# KiCad board ergotonic_f24 - コピー.kicad_pcb (continued)
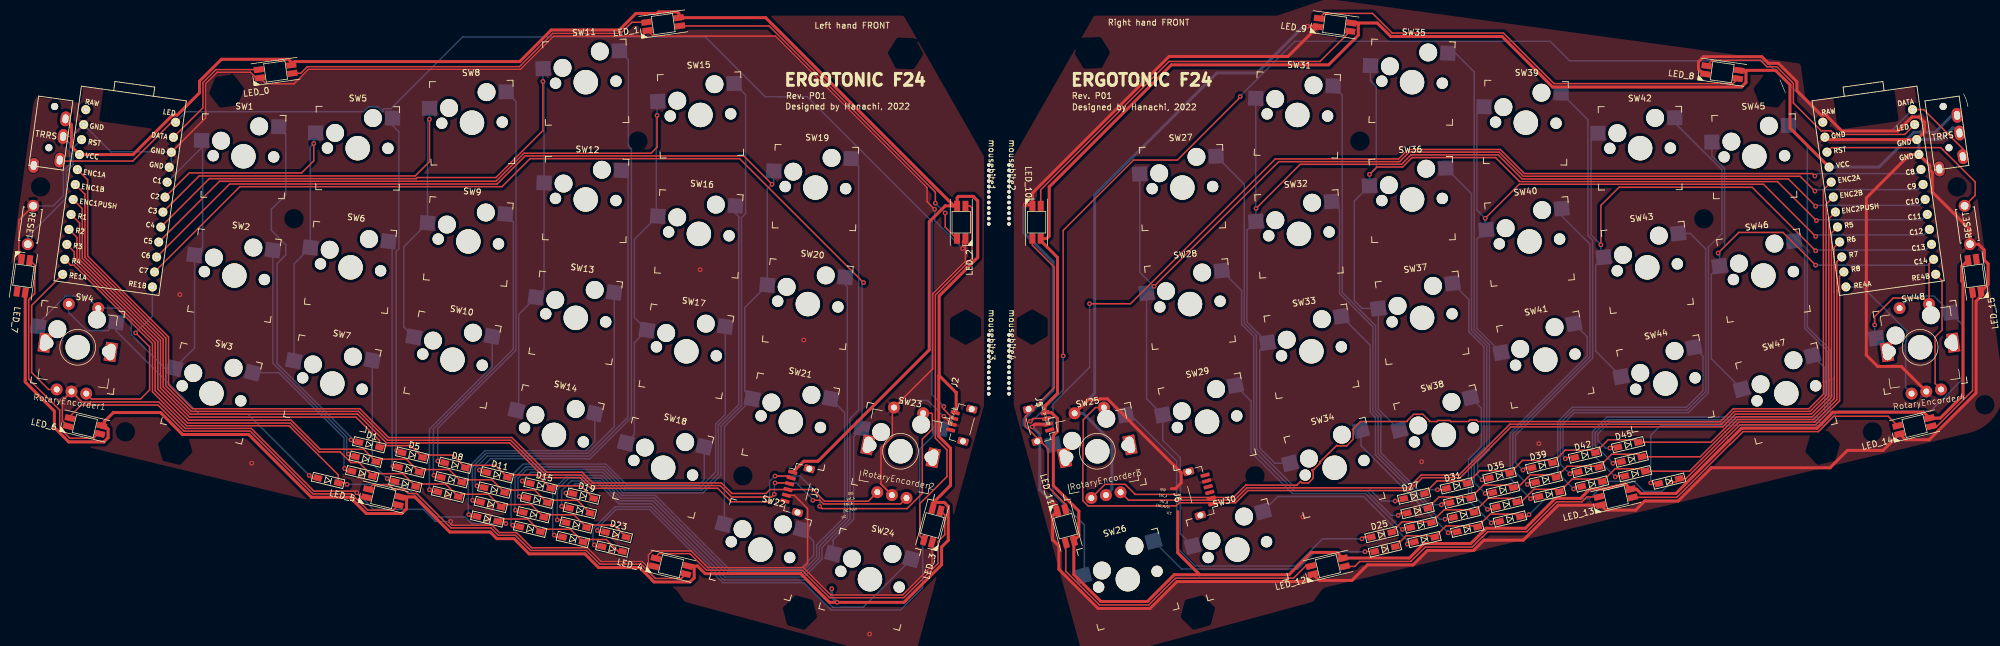
[diagram p0: board, top side]
## Routing (per net, layer and track width the routed paths; a pad name or vN(x,y) marks a point on that pad's centre or on a via; arc(x,y) is an arc through that point) (continued)
  Bottom w0.5: U2.21 313.4,68.97 319.24,74.81 322.83,74.81 326.52,78.5
C1: length 81.5
  Bottom w0.25: SW4.1 4.25,42.69 8.86,47.3 12.34,47.3 RE1.S1 17.99,45.28 19.91,43.36 19.91,40.82 25.54,35.19 SW3.1 30.53,38.58 SW2.1 31.88,55.55 31.88,73.29 SW1.1 31.71,72.22 U1.5
C2: length 70.2
  Top w0.25: U1.6 29.64,67.99 48.51,67.99 50.55,70.02 v1(50.55,72.94)
  Bottom w0.25: SW5.1 50.55,74.41 v1(50.55,72.94) 49.98,72.37 SW6.1 47.24,52.72 47.24,36.48 SW7.1
C3: length 96.3
  Top w0.25: U1.7 31.3,67.48 67.56,67.48 69.98,69.89 v1(69.98,77.01)
  Bottom w0.25: SW8.1 69.98,78.82 v1(69.98,77.01) 69.65,76.68 SW9.1 65.66,55.59 65.66,42.13 SW10.1
C4: length 138.6
  Top w0.25: v1(89.03,83.36) 89.03,75.1 81.14,67.22 67.94,67.22 67.75,67.03 33.01,67.03 U1.8
  Bottom w0.25: SW11.1 89.03,85.5 v1(89.03,83.36) 89.23,83.15 SW12.1 89.23,48.47 SW13.1 84.96,44.21 84.96,28.48 SW14.1
C5: length 157.1
  Top w0.25: U1.9 34.72,66.58 81.14,66.58 85.85,71.29 107.19,71.29 108.2,72.31 v1(108.2,77.64)
  Bottom w0.25: SW15.1 108.2,79.9 v1(108.2,77.64) 108.08,77.51 108.08,60.97 SW16.1 104.39,56.82 104.39,43.68 SW17.1 104.39,39.48 104.39,24.06 SW18.1
C6: length 176.2
  Top w0.25: v1(127.51,66.09) 122.76,70.84 86.04,70.84 81.33,66.13 36.43,66.13 U1.10
  Bottom w0.25: SW22.1 119.51,9.12 119.51,25.37 SW21.1 122.94,31.31 122.94,45.39 SW20.1 126.71,65.28 v1(127.51,66.09) 127.8,66.38 SW19.1
C7: length 183.2
  Top w0.25: U1.11 38.14,65.68 82.17,65.68 86.88,70.39 122.06,70.39 v1(142.87,49.57)
  Bottom w0.25: v1(142.87,49.57) 142.62,49.32 SW23.1 141.22,23.69 141.22,9.82 137.78,6.38 SW24.1
C8: length 203.1
  Top w0.25: v1(180.83,46.02) 187.71,46.02 212.03,70.34 232.73,70.34 234.31,71.93 249.81,71.93 253.85,67.88 302.24,67.88 v1(302.64,67.48)
  Bottom w0.25: SW26.1 179.96,0.55 179.96,8.86 174.69,14.13 SW25.1 174.69,29.19 180.85,35.35 180.85,46 v1(180.83,46.02) ; v1(302.64,67.48) 303.04,67.88 319.76,67.88 U2.5
C9: length 209
  Top w0.25: v1(302.64,64.94) 300.15,67.43 253.67,67.43 249.62,71.48 234.5,71.48 232.91,69.89 232.54,69.89 212.6,69.89 v1(191.65,48.94)
  Bottom w0.25: U2.6 319.95,65.2 302.89,65.2 v1(302.64,64.94) ; SW30.1 196.09,7.37 196.09,20.11 193.12,23.08 SW29.1 190.4,30.05 SW28.1 191.52,48.94 v1(191.65,48.94) 189.25,51.33 SW27.1
C10: length 187.6
  Top w0.25: v1(208.79,62.02) 216.21,69.44 233.22,69.44 234.76,70.98 234.77,70.98 234.81,71.03 249.44,71.03 253.48,66.98 298.19,66.98 v1(302.77,62.4)
  Bottom w0.25: U2.7 320.15,62.53 302.89,62.53 v1(302.77,62.4) ; SW31.1 208.73,62.07 v1(208.79,62.02) 208.76,62 SW32.1 207.26,58.34 207.26,42.93 SW33.1 209.42,38.2 209.42,21.76 211.97,19.21 SW34.1
C11: length 167.5
  Top w0.25: v1(302.89,59.99) 296.35,66.53 253.05,66.53 249.01,70.57 234.99,70.57 233.41,68.99 229.09,68.99 v1(227.84,67.74)
  Bottom w0.25: SW35.1 228,83.45 228.98,82.47 228.98,68.88 v1(227.84,67.74) 227.84,65.83 SW36.1 225.3,63.29 225.3,46.53 226.6,45.22 SW37.1 229.31,28.34 SW38.1 ; U2.8 320.6,60.12 303.02,60.12 v1(302.89,59.99)
C12: length 125.9
  Top w0.25: v1(247.27,60.37) 252.98,66.08 294,66.08 v1(302.77,57.32)
  Bottom w0.25: SW39.1 245.87,77.92 245.87,61.77 v1(247.27,60.37) 247.27,58.62 SW40.1 245.87,56.88 245.87,41.87 SW41.1 ; U2.9 320.93,57.58 303.02,57.58 v1(302.77,57.32)
C13: length 112.8
  Top w0.25: v1(302.77,54.91) 292.1,65.58 269.75,65.58 266.7,62.53 v1(266.7,55.92)
  Bottom w0.25: SW42.1 265.05,73.51 265.05,57.58 v1(266.7,55.92) 266.7,54.3 SW43.1 265.81,52.49 265.81,38.06 SW44.1 ; v1(302.77,54.91) 302.89,55.04 321.26,55.04 U2.10
C14: length 108.4
  Top w0.25: v1(312.67,42.46) 312.67,43.86 315.79,46.97 320.81,46.97 RE4.S1 321.81,52.71 U2.11 ; v1(302.77,52.5) 297.27,58 289.85,58 v1(286.38,54.53)
  Bottom w0.25: SW48.1 312.67,40.49 v1(312.67,42.46) ; SW47.1 285.24,36.77 285.24,50.94 SW46.1 286.64,54.28 v1(286.38,54.53) 287.47,55.61 287.47,68.73 285.34,70.87 SW45.1 ; v1(302.77,52.5) 321.59,52.5 U2.11
D4: length 56.8
  Top w0.25: D4.2 50.23,16.74 v1(49.78,17.19)
  Bottom w0.25: v1(49.78,17.19) 39.5,27.48 31.33,27.48 17.4,41.41 SW4.2 15.99,41.5 12.47,41.5 9.41,44.56 RE1.S2
D48: length 88.2
  Top w0.25: D48.2 275.2,15.81 v1(275.08,15.92)
  Bottom w0.25: v1(275.08,15.92) 275.08,23.92 276.73,25.57 304.16,25.57 306.58,27.98 322.07,27.98 327.39,33.31 327.39,42.53 SW48.2 322.62,47.3 318.88,47.3 RE4.S2
DATA: length 204
  Top w0.25: v1(156.36,28.75) 156.36,28.27 157.89,26.75 J2.2 ; U1.1 26.67,76.5 20.16,69.98 8.05,69.98 J1.D
  Bottom w0.25: 129.19,80.8 126.35,80.8 116.29,90.85 75.56,90.85 63.49,78.78 62.39,78.78 62.19,78.57 62.19,78.28 62.08,78.28 61.27,79.09 59.72,79.09 58.91,78.28 29.12,78.28 U1.1 ; 128.76,80.8 133.39,80.8 154.36,59.83 154.36,30.75 v1(156.36,28.75)
DATA2: length 214.1
  Top w0.25: J4.D 327.48,72.06 320.91,78.63 U2.1 ; J5.3 171.37,26.75 v1(170.89,26.27) 171.25,26.63 ; v1(206.12,80.82) 206.12,80.7 195.57,70.15 188.21,70.15 176.4,58.34 v1(176.4,37.26)
  Bottom w0.25: U2.1 315.51,75.1 306.91,75.1 304.41,77.6 303.57,77.6 294.34,86.83 261.45,86.83 258.18,90.1 215.33,90.1 206.22,80.99 206.22,80.82 v1(206.12,80.82) ; v1(170.89,26.27) 171.13,26.27 176.4,31.54 v1(176.4,37.26)
ENC2_A: length 172.3
  Top w0.25: U2.20 304.07,65.14 304.07,32.8 304.09,32.78 304.09,30.83 301.64,28.38 288.94,28.38 286.79,26.23 246.08,26.23 245.82,26.49 244.72,26.49 244.46,26.23 241.52,26.23 241.33,26.41 239.33,26.41 239.15,26.23 237.91,26.23 237.91,26.34 236.81,27.44 235.26,27.44 234.16,26.34 234.16,26.23 226.33,26.23 224.99,24.88 225.09,24.78 225.09,23.23 223.99,22.13 222.44,22.13 222.34,22.23 221,20.89 220.98,20.89 219.56,19.47 219.56,19.45 219.54,19.44 219.54,19.23 218.45,18.13 218.24,18.13 218.13,18.03 218.38,17.78 218.38,16.69 217.6,15.91 216.5,15.91 216.26,16.15 215.65,15.54 207.05,15.54 204.99,13.47 196.26,13.47 195.75,13.99 188.5,13.99 186.8,15.68 183.41,15.68 RE3.A
ENC2_B: length 160.2
  Top w0.25: RE3.B 187.36,13.02 205.17,13.02 207.24,15.09 234.37,15.09 236.53,17.25 242.88,17.25 251.41,25.78 286.97,25.78 289.12,27.93 301.82,27.93 304.54,30.64 304.54,32.96 304.52,32.98 304.52,62.72 U2.19
ENC2_PUSH: length 182.6
  Top w0.25: U2.18 304.97,60.3 304.97,33.17 304.99,33.15 304.99,30.46 302.01,27.48 289.31,27.48 287.16,25.33 251.6,25.33 243.07,16.8 236.72,16.8 234.56,14.64 207.43,14.64 205.36,12.57 195.9,12.57 195.38,12.06 180.58,12.06 179.71,12.93 179.71,22.23 179.78,22.3 179.78,26.54 181.82,28.58 RE3.S1
ENC_A: length 170.8
  Top w0.25: U1.20 12.57,66.84 12.57,54.02 26.16,40.43 26.16,32.41 30.2,28.38 58.28,28.38 63.12,23.54 83.82,23.54 89.66,17.7 95.63,17.7 97.42,15.91 119.01,15.91 120.78,14.14 126.49,14.14 127.15,14.8 J3.4 134.35,14.8 136.31,12.84 143.67,12.84 RE2.A
ENC_B: length 178.7
  Top w0.25: v1(128.02,15.92) 130.31,15.92 J3.3 ; U1.19 12.12,64.42 12.12,53.83 25.71,40.24 25.71,32.22 30.01,27.93 58.1,27.93 62.94,23.09 83.64,23.09 89.48,17.25 95.44,17.25 97.23,15.46 118.82,15.46 120.74,13.54 127.42,13.54 v1(127.89,14.01) ; v1(134.37,13) 135.52,13 136.13,12.39 149.09,12.39 RE2.B
  Bottom w0.25: v1(127.89,14.01) 127.89,15.79 v1(128.02,15.92) 131.57,15.92 134.37,13.13 v1(134.37,13)
ENC_PUSH: length 200.3
  Top w0.25: v1(127.13,12.74) 120.65,12.74 118.38,15.01 97.04,15.01 95.26,16.8 89.29,16.8 83.45,22.64 62.75,22.64 57.91,27.48 29.82,27.48 25.26,32.04 25.26,40.06 11.67,53.65 11.67,62 U1.18 ; v1(128.02,17.06) 130.39,17.06 J3.2 131.15,16.74 ; RE2.S1 154.3,27.62 154.43,27.49 154.43,24.95 152.74,23.26 152.74,14.17 150.18,11.6 135.89,11.6 v1(135.51,11.98)
  Bottom w0.25: v1(135.51,11.98) 135.51,13.76 132.21,17.06 v1(128.02,17.06) 127.13,16.17 v1(127.13,12.74)
LED: length 21.5
  Top w0.25: LED_0.4 34.12,85.34 31.93,83.16 31.93,78.93 U1.2
LED2: length 43.1
  Top w0.25: U2.2 317.74,74.47 305.92,74.47 305.3,75.08 303.67,75.08 299.02,79.73 299.02,83.04 296.23,85.83 294.59,85.83 293.5,86.91 285.37,86.91 LED_8.4
R1: length 118
  Top w0.25: U1.17 11.22,59.58 11.22,53.46 24.81,39.87 24.81,31.85 29.7,26.97 57.66,26.97 61.59,23.04 D1.1 61.86,22.19 66.82,22.19 D5.1 69.24,20.6 73.86,20.6 D8.1 76.42,18.87 81.05,18.87 D11.1 83.48,17.27 88.1,17.27 D15.1 90.77,15.43 95.4,15.43 D19.1
R2: length 115.9
  Top w0.25: D20.1 94.81,13 90.19,13 D16.1 87.64,14.72 83.01,14.72 D12.1 80.46,16.44 75.83,16.44 D9.1 73.28,18.17 68.66,18.17 D6.1 66.09,19.9 61.42,19.9 D2.1 58.92,21.58 51.62,21.58 46.74,26.46 29.57,26.46 24.36,31.67 24.36,39.69 10.77,53.27 10.77,57.16 U1.16
R3: length 122
  Top w0.25: U1.15 10.32,54.74 10.32,53.09 23.91,39.5 23.91,31.41 29.35,25.97 46.59,25.97 51.44,21.13 54.98,21.13 56.77,19.34 58.14,19.34 D3.1 60.84,17.47 65.51,17.47 D7.1 68.07,15.73 72.7,15.73 D10.1 75.25,14.01 79.88,14.01 D13.1 82.43,12.29 87.05,12.29 D17.1 89.61,10.56 94.23,10.56 D21.1 96.78,8.84 100.98,8.84 D23.1
R4: length 123.6
  Top w0.25: v1(56.13,15.67) 55.88,15.91 D4.1 54.67,17.25 46.4,25.52 29.17,25.52 23.46,31.23 23.46,39.31 10.28,52.5 9.7,52.5 U1.14 ; v1(82.8,9.08) 82.44,9.44 D14.1 81.84,9.86 86.47,9.86 D18.1 89.02,8.13 93.65,8.13 D22.1 96.2,6.41 99.68,6.41 101.7,4.39 D24.1
  Bottom w0.25: v1(56.13,15.67) 65.66,15.67 71.12,10.2 75.95,10.2 77.07,9.08 v1(82.8,9.08)
R5: length 105.9
  Top w0.25: U2.17 305.42,57.88 305.42,33.35 305.44,33.34 305.44,30.27 302.2,27.03 289.5,27.03 287.35,24.88 287.32,24.88 285.18,22.75 D45.1 272.59,23.16 267.92,23.16 D42.1 265.35,21.42 260.72,21.42 D39.1 258.17,19.7 253.55,19.7 D35.1 250.99,17.98 246.37,17.98 D31.1 243.82,16.25 239.19,16.25 D27.1
R6: length 103.8
  Top w0.25: D28.1 239.5,13.55 244.67,13.55 D32.1 246.95,15.55 251.58,15.55 D36.1 252.71,15.13 254.85,17.27 258.76,17.27 D40.1 261.04,18.72 266.2,18.72 D43.1 268.5,20.73 273.17,20.73 D46.1 283.39,20.32 287.5,24.43 287.53,24.43 289.68,26.58 302.38,26.58 305.89,30.08 305.89,33.52 305.89,48 305.87,48.02 305.87,55.46 U2.16
R7: length 110.3
  Top w0.25: U2.15 306.32,53.05 306.32,48.21 306.34,48.19 306.34,29.9 302.57,26.13 289.87,26.13 287.72,23.98 287.69,23.98 281.59,17.88 D47.1 273.75,18.3 269.09,18.3 D44.1 266.52,16.56 261.89,16.56 D41.1 259.34,14.84 255.43,14.84 253.3,12.7 D37.1 251.95,13.33 247.75,13.33 D33.1 244.98,11.39 240.36,11.39 D29.1 238.07,9.4 233.34,9.4 D25.1
R8: length 108.7
  Top w0.25: D26.1 233.98,7.03 238.6,7.03 D30.1 240.67,8.69 245.84,8.69 D34.1 248.12,10.68 252.74,10.68 D38.1 254.32,10.27 v1(254.63,10.59) ; U2.14 306.77,50.63 306.77,48.39 306.78,48.38 306.78,29.71 302.76,25.68 290.06,25.68 287.9,23.53 287.88,23.53 280.98,16.63 D48.1 279.28,16.05 v1(278.51,16.05)
  Bottom w0.25: v1(254.63,10.59) 257.3,13.25 264.79,13.25 267.72,16.17 272.29,16.17 273.94,14.52 276.99,14.52 v1(278.51,16.05)
RE1A: length 24
  Top w0.25: RE1.A 6.02,31.62 3.17,34.46 3.17,45.74 U1.13
RE1B: length 31.1
  Top w0.25: v1(20.63,41.12) 22.99,38.77 22.99,31.54 21.46,30.02 13.24,30.02 RE1.B
  Bottom w0.25: v1(20.63,41.12) 23.45,43.95 U1.12
RE4A: length 24.3
  Bottom w0.25: RE4.A 317.87,31.92 317.87,39.69 318.05,39.87 318.05,41.46 310.67,48.84 U2.13
RE4B: length 20.7
  Top w0.25: RE4.B 322.83,32.62 322.83,40.42 323.99,41.59 323.99,49.9 U2.12
RESET: length 21.3
  Bottom w0.25: SW_RESET1.1 2.53,57.31 9.02,63.8 9.02,68.25 10.12,69.36 10.12,72.15 U1.22
RESET2: length 32.4
  Top w0.25: SW_RESET2.1 329.56,64.24 329.56,66.47 324.78,71.25 324.75,71.25 324.18,71.82 324.18,71.85 323.79,72.24 305.43,72.24 U2.22
Net-(D1-Pad2): length 62.3
  Top w0.25: v1(56.8,23.16) 57.21,22.75 D1.2
  Bottom w0.25: SW1.2 45.85,74.59 45.85,64.31 43.43,61.89 43.43,58.34 45.85,55.92 45.85,54.22 44.38,52.75 44.38,36 56.8,23.58 v1(56.8,23.16)
Net-(D2-Pad2): length 40.9
  Top w0.25: v1(56.35,20.78) 56.82,20.32 D2.2
  Bottom w0.25: v1(56.35,20.78) 56.07,21.06 56.07,23.66 43.68,36.06 SW2.2
Net-(D3-Pad2): length 26.5
  Top w0.25: v1(55.75,18.33) 56.2,17.88 D3.2
  Bottom w0.25: SW3.2 44.67,34.44 55.63,23.48 55.63,18.46 v1(55.75,18.33)
Net-(D5-Pad2): length 57.5
  Top w0.25: v1(64.48,21.38) 65,21.38 D5.2
  Bottom w0.25: v1(64.48,21.38) 64.39,21.47 64.39,54.81 64.84,55.27 64.84,74.9 63.8,75.95 SW5.2
Net-(D6-Pad2): length 39.1
  Top w0.25: v1(63.84,18.71) 63.98,18.58 D6.2
  Bottom w0.25: v1(63.84,18.71) 63.72,18.84 63.72,55.9 SW6.2
Net-(D7-Pad2): length 22.4
  Top w0.25: v1(62.89,16.64) 63.38,16.15 D7.2
  Bottom w0.25: SW7.2 60.37,19.16 v1(62.89,16.64)
Net-(D8-Pad2): length 69.4
  Top w0.25: D8.2 71.69,19.29 v1(71.37,19.6)
  Bottom w0.25: v1(71.37,19.6) 71.37,25.07 84.51,38.21 84.51,79.98 SW8.2
Net-(D9-Pad2): length 51.4
  Top w0.25: D9.2 71.07,16.86 v1(70.74,17.19)
  Bottom w0.25: v1(70.74,17.19) 70.65,17.28 70.65,24.98 84.06,38.4 84.06,59.75 SW9.2
Net-(D10-Pad2): length 31.7
  Top w0.25: D10.2 70.33,14.42 v1(69.98,14.78)
  Bottom w0.25: SW10.2 80.53,35.5 69.98,24.95 v1(69.98,14.78)
Net-(D11-Pad2): length 93
  Top w0.25: D11.2 78.75,17.69 v1(78.36,18.08)
  Bottom w0.25: v1(78.36,18.08) 80.26,19.98 96.96,19.98 103.89,26.9 103.89,72.03 103.38,72.54 103.38,87.03 SW11.2
Net-(D12-Pad2): length 75.5
  Top w0.25: D12.2 78.87,15.41 v1(77.98,15.41)
  Bottom w0.25: SW12.2 103.32,67.32 103.32,26.97 96.78,20.43 79.69,20.43 77.63,18.38 77.63,15.75 v1(77.98,15.41)
Net-(D13-Pad2): length 56.2
  Top w0.25: v1(77.22,13) 77.51,12.7 D13.2
  Bottom w0.25: SW13.2 101.01,25.36 96.53,20.88 79.5,20.88 77.18,18.56 77.18,15.57 77.22,15.54 v1(77.22,13)
Net-(D14-Pad2): length 37.3
  Top w0.25: v1(76.58,10.59) 76.9,10.27 D14.2
  Bottom w0.25: SW14.2 97.75,22.85 96.23,21.33 79.32,21.33 76.49,18.51 76.49,10.68 v1(76.58,10.59)
Net-(D15-Pad2): length 106.4
  Top w0.25: v1(85.56,16.24) 85.96,15.84 D15.2
  Bottom w0.25: v1(85.56,16.24) 87.01,17.7 99.07,17.7 102.51,14.26 115.94,14.26 118.94,17.26 118.94,25.44 122.37,28.87 122.37,60.47 123.06,61.16 123.06,81.1 SW15.2
Net-(D16-Pad2): length 88
  Top w0.25: v1(85.05,13.63) 85.28,13.41 D16.2
  Bottom w0.25: v1(85.05,13.63) 84.84,13.85 84.84,16.68 86.32,18.17 99.24,18.17 102.7,14.71 115.76,14.71 118.49,17.44 118.49,25.63 121.92,29.06 121.92,60.65 121.37,61.2 SW16.2
Net-(D17-Pad2): length 69
  Top w0.25: v1(84.42,11.35) 84.79,10.98 D17.2
  Bottom w0.25: SW17.2 119.65,27.43 118.04,25.82 118.04,17.75 115.44,15.16 102.88,15.16 99.42,18.62 86.14,18.62 84.33,16.81 84.33,11.44 v1(84.42,11.35)
Net-(D18-Pad2): length 50.2
  Top w0.25: D18.2 84.21,8.55 v1(83.95,8.81)
  Bottom w0.25: SW18.2 116.13,16.48 115.26,15.61 103.07,15.61 99.61,19.07 85.7,19.07 83.69,17.06 83.69,9.06 v1(83.95,8.81)
Net-(D19-Pad2): length 123
  Top w0.25: v1(92.89,14.21) 92.99,14.12 D19.2
  Bottom w0.25: SW19.2 142.05,69.16 142.05,28.18 140.6,26.72 140.6,9.83 137.33,6.56 137.33,6.49 135.9,5.06 135.9,3.1 132.89,0.09 119.58,0.09 107.27,12.4 101.81,12.4 98.42,15.79 94.47,15.79 v1(92.89,14.21)
Net-(D20-Pad2): length 105
  Top w0.25: v1(92.16,11.98) 92.46,11.69 D20.2
  Bottom w0.25: v1(92.16,11.98) 92.16,14.61 93.81,16.26 98.6,16.26 101.95,12.91 107.53,12.91 119.9,0.54 132.71,0.54 135.45,3.28 135.45,5.25 136.55,6.35 136.55,6.42 140.15,10.02 140.15,48.88 139.82,49.21 SW20.2
Net-(D21-Pad2): length 88.1
  Top w0.25: D21.2 92.48,9.7 v1(91.44,9.7)
  Bottom w0.25: SW21.2 139.7,27.72 139.7,10.21 135,5.51 135,3.47 132.52,0.99 120.08,0.99 107.72,13.36 102.14,13.36 98.78,16.71 93.38,16.71 91.44,14.78 v1(91.44,9.7)
Net-(D22-Pad2): length 66.6
  Top w0.25: D22.2 91.26,6.82 v1(90.93,7.16)
  Bottom w0.25: SW22.2 134.49,6.12 134.49,3.73 132.21,1.44 120.29,1.44 107.92,13.81 102.32,13.81 98.97,17.16 93.19,17.16 90.68,14.65 90.68,7.41 v1(90.93,7.16)
Net-(D23-Pad2): length 94.8
  Top w0.25: v1(98.17,7.91) 98.44,7.65 D23.2
  Bottom w0.25: v1(98.17,7.91) 98.17,8.3 101.35,11.47 106.93,11.47 119.25,-0.84 132.84,-0.84 137.41,-5.42 149.1,-5.42 152.8,-1.71 152.8,6.57 152.32,7.06 152.32,21.61 SW23.2
Net-(D24-Pad2): length 69.6
  Top w0.25: D24.2 97.95,5.22 v1(97.66,5.51)
  Bottom w0.25: v1(97.66,5.51) 97.45,5.72 97.45,8.21 101.16,11.92 107.12,11.92 119.44,-0.4 133.15,-0.4 137.73,-4.97 142.83,-4.97 SW24.2
Net-(D25-Pad2): length 62.3
  Top w0.25: v1(226.57,6.52) 226.87,6.82 D25.2
  Bottom w0.25: SW25.2 187.71,27.34 195.45,19.6 195.45,5.1 198.6,1.95 215.39,1.95 219.96,6.52 v1(226.57,6.52)
Net-(D26-Pad2): length 40.3
  Top w0.25: D26.2 227.1,4.39 v1(227.08,4.36)
  Bottom w0.25: v1(227.08,4.36) 218.69,4.36 215.77,1.44 196.3,1.44 SW26.2
Net-(D27-Pad2): length 80.5
  Top w0.25: v1(232.16,12.87) 233.18,12.87 D27.2
  Bottom w0.25: SW27.2 206.81,66.08 206.81,42.74 208.85,40.71 208.85,21.64 215.45,15.04 227.7,15.04 229.87,12.87 v1(232.16,12.87)
Net-(D28-Pad2): length 62.9
  Top w0.25: v1(232.66,10.46) 233.06,10.86 D28.2
  Bottom w0.25: SW28.2 206.36,48.24 206.36,42.56 208.4,40.52 208.4,21.39 215.2,14.59 227.39,14.59 231.52,10.46 v1(232.66,10.46)
Net-(D29-Pad2): length 44.6
  Top w0.25: D29.2 233.68,8.43 v1(233.37,8.11)
  Bottom w0.25: SW29.2 207.95,29.68 207.95,21.08 214.88,14.14 227.2,14.14 233.23,8.11 v1(233.37,8.11)
Net-(D30-Pad2): length 30.3
  Top w0.25: D30.2 234.55,5.99 v1(234.19,5.63)
  Bottom w0.25: SW30.2 212.46,13.63 226.82,13.63 234.19,6.27 v1(234.19,5.63)
Net-(D31-Pad2): length 78.6
  Top w0.25: D31.2 240.54,14.78 v1(239.27,14.78)
  Bottom w0.25: SW31.2 223.27,81.08 223.27,47.92 226.38,44.81 226.38,44.81 228.86,42.33 228.86,28.15 229.74,27.27 229.74,21 235.97,14.78 v1(239.27,14.78)
Net-(D32-Pad2): length 61.4
  Top w0.25: D32.2 240.25,12.58 v1(239.9,12.24)
  Bottom w0.25: v1(239.9,12.24) 237.87,12.24 229.29,20.81 229.29,27.09 228.41,27.97 228.41,42.14 222.82,47.74 222.82,61.88 SW32.2
Net-(D33-Pad2): length 43.4
  Top w0.25: D33.2 241.62,9.82 v1(240.54,9.82)
  Bottom w0.25: v1(240.54,9.82) 239.65,9.82 228.84,20.63 228.84,26.9 227.96,27.78 227.96,39.06 SW33.2
Net-(D34-Pad2): length 24.9
  Top w0.25: D34.2 241.23,7.72 v1(241.05,7.54)
  Bottom w0.25: v1(241.05,7.54) 226.42,22.16 SW34.2
Net-(D35-Pad2): length 77.8
  Top w0.25: v1(246.76,16.43) 247.65,16.43 D35.2
  Bottom w0.25: v1(246.76,16.43) 246,17.19 246,19.47 247.98,21.46 247.98,39.13 245.42,41.69 245.42,84.97 242.28,88.11 SW35.2
Net-(D36-Pad2): length 60.5
  Top w0.25: D36.2 247.43,14.3 v1(247.27,14.14)
  Bottom w0.25: v1(247.27,14.14) 245.42,15.99 245.42,19.53 247.53,21.64 247.53,38.94 244.97,41.5 244.97,64.5 SW36.2
Net-(D37-Pad2): length 43.8
  Top w0.25: D37.2 248.73,11.47 v1(247.65,11.47)
  Bottom w0.25: v1(247.65,11.47) 244.97,14.15 244.97,19.72 247.08,21.83 247.08,38.75 244.52,41.31 244.52,46.72 SW37.2
Net-(D38-Pad2): length 25.8
  Top w0.25: D38.2 248.54,9.44 v1(248.28,9.19)
  Bottom w0.25: SW38.2 246.63,28.48 246.63,22.02 244.47,19.86 244.47,13 v1(248.28,9.19)
Net-(D39-Pad2): length 73.1
  Top w0.25: D39.2 254,18.46 v1(253.62,18.08)
  Bottom w0.25: v1(253.62,18.08) 252.36,19.34 252.36,23.93 265.31,36.88 265.31,56.68 264.53,57.46 264.53,76.9 SW39.2
Net-(D40-Pad2): length 56.2
  Top w0.25: D40.2 254.74,16.03 v1(254.38,15.67)
  Bottom w0.25: SW40.2 260.12,60.76 264.86,56.02 264.86,37.08 251.91,24.12 251.91,18.14 v1(254.38,15.67)
Net-(D41-Pad2): length 38.7
  Top w0.25: D41.2 255.23,13.6 v1(254.89,13.25)
  Bottom w0.25: v1(254.89,13.25) 251.46,16.68 251.46,24.31 264.41,37.26 264.41,40.45 SW41.2
Net-(D42-Pad2): length 84.7
  Top w0.25: v1(260.73,19.98) 260.93,20.18 D42.2
  Bottom w0.25: v1(260.73,19.98) 260.35,20.36 260.35,25.82 262.25,27.72 281.42,27.72 284.75,31.05 284.75,55.53 287.02,57.8 287.02,68.52 279.1,76.43 SW42.2
Net-(D43-Pad2): length 67
  Top w0.25: D43.2 261.8,17.75 v1(261.49,17.44)
  Bottom w0.25: SW43.2 281.68,57.84 284.3,55.22 284.3,31.23 281.24,28.17 262.06,28.17 259.9,26.01 259.9,19.04 v1(261.49,17.44)
Net-(D44-Pad2): length 48.4
  Top w0.25: D44.2 262.54,15.32 v1(262.13,14.9)
  Bottom w0.25: v1(262.13,14.9) 259.45,17.58 259.45,26.2 261.87,28.62 281.05,28.62 283.85,31.42 283.85,37.17 SW44.2
Net-(D45-Pad2): length 97
  Top w0.25: v1(268.22,21.76) 268.38,21.92 D45.2
  Bottom w0.25: SW45.2 301.37,72.82 301.37,42.08 305.25,38.2 305.25,27.42 303.91,26.08 268.1,26.08 266.19,24.17 266.19,23.03 267.46,21.76 v1(268.22,21.76)
Net-(D46-Pad2): length 79.5
  Top w0.25: D46.2 269,19.49 v1(268.73,19.22)
  Bottom w0.25: SW46.2 300.92,54.75 300.92,41.9 304.8,38.02 304.8,27.73 303.6,26.53 267.91,26.53 265.74,24.36 265.74,22.21 v1(268.73,19.22)
Net-(D47-Pad2): length 61.5
  Top w0.25: v1(269.11,16.94) 269.23,17.06 D47.2
  Bottom w0.25: v1(269.11,16.94) 265.29,20.75 265.29,24.55 267.73,26.98 303.41,26.98 304.29,27.86 304.29,35.29 SW47.2
Net-(LED_0-Pad2): length 63
  Top w0.25: LED_1.4 103.98,93.31 102.1,91.43 90.67,91.43 85.08,85.84 49.47,85.84 48.36,84.72 LED_0.2
Net-(LED_1-Pad2): length 63.8
  Top w0.25: v1(156.59,61.26) 156.59,58.88 158.51,56.96 LED_2.4 ; LED_1.2 127.01,92.69 154.94,64.75 v1(154.94,62.91)
  Bottom w0.25: v1(156.59,61.26) v1(154.94,62.91)
Net-(LED_2-Pad2): length 62.6
  Top w0.25: LED_3.4 152.32,7 152.32,12.41 156.88,16.97 156.88,21.47 154.94,23.41 154.94,47.5 161.1,53.66 161.1,62.1 160.74,62.46 LED_2.2
Net-(LED_3-Pad2): length 62.6
  Top w0.25: LED_3.2 156.52,10.53 156.52,7.21 155.38,6.07 155.38,2.39 149.63,-3.36 137.19,-3.36 132.57,1.25 116.51,1.25 113.72,4.04 108.51,4.04 108.02,3.55
Net-(LED_4-Pad2): length 60.5
  Top w0.25: LED_5.4 60.46,15.59 63.18,15.59 63.93,14.84 65.72,14.84 66.42,14.14 67.81,14.14 73.59,8.36 80.3,8.36 81.53,7.12 84.41,7.12 86.96,4.57 96.31,4.57 98.61,2.27 105.52,2.27 107.92,-0.13 112.3,-0.13 LED_4.2
Net-(LED_5-Pad2): length 63.6
  Top w0.25: LED_5.2 63.88,11.35 59.61,11.35 56.88,14.08 50.4,14.08 40.46,24.02 39.86,24.62 28.76,24.62 24.38,29 11.5,29 9.6,27.1
Net-(LED_6-Pad2): length 39
  Top w0.25: 14.62,24.46 13.59,23.42 9.61,23.42 7.89,25.14 7.89,28.15 2.67,33.36 2.67,46.71 3.7,47.74 3.7,52.48 LED_7.4
Net-(LED_8-Pad2): length 75.9
  Top w0.25: LED_8.2 288.86,83 258.83,83 250.35,91.48 231.65,91.48 228.34,94.79 220.2,94.79 LED_9.4
Net-(LED_10-Pad2): length 51.7
  Top w0.25: LED_11.4 176.75,12.38 173.86,15.27 173.86,21.63 170.05,25.44 170.05,27.1 174.88,31.92 174.88,52.19 171.23,55.84 LED_10.2
Net-(LED_10-Pad4): length 65.7
  Top w0.25: LED_10.4 172.63,65.16 194.19,86.72 219.52,86.72 LED_9.2
Net-(LED_11-Pad2): length 51
  Top w0.25: LED_12.4 217.14,1.97 215.09,-0.08 195.27,-0.08 190.77,-4.59 182.49,-4.59 176.84,1.07 LED_11.2
Net-(LED_12-Pad2): length 47.5
  Top w0.25: LED_13.4 264.35,13.57 263.53,12.75 259.29,12.75 254.27,7.73 247.73,7.73 246.88,6.87 246.81,6.87 245.08,5.15 237.21,5.15 234.78,2.72 226.2,2.72 225.38,1.89 LED_12.2
Net-(LED_13-Pad2): length 50.8
  Top w0.25: LED_13.2 279.46,13.49 288.35,22.38 288.43,22.38 290.58,24.53 303.23,24.53 305.81,27.12 314.94,27.12 LED_14.4
Net-(LED_14-Pad2): length 25.8
  Top w0.25: LED_14.2 323.13,25.44 329.12,31.43 LED_15.4

## Copper pours and planes (outline as drawn; the poured copper is in the pictures)
GND on Top, Bottom: 164.59,72.05 165.35,31.54 152.27,-15.7 -4.7,24.94 3.68,84.12 150.24,101.64
GND2 on Top, Bottom: 327.15,88.82 338.33,25.57 179.2,-14.94 167.13,30.02 167.13,72.31 181.23,101.52

## Text on the board
B.Silkscreen: Left hand Back | Right hand Back
F.Silkscreen: VCC DATA GND | GND | ENC_A | ENC_PUSH | ENC_B | VCC | GND DATA VCC | RotaryEncorder1 | RotaryEncorder4 | RotaryEncorder3 | RotaryEncorder2 | D25 | D27 | D31 | D35 | D39 | D42 | D45 | J5 | J6 | Rev. P01 | Designed by Hanachi, 2022 | Left hand FRONT | Right hand FRONT | J3 | J2 | D1 | D5 | D8 | D11 | D15 | D19 | D23 | ERGOTONIC F24
